# KiCad board RP2040_motor-rounded.kicad_pcb (continued)
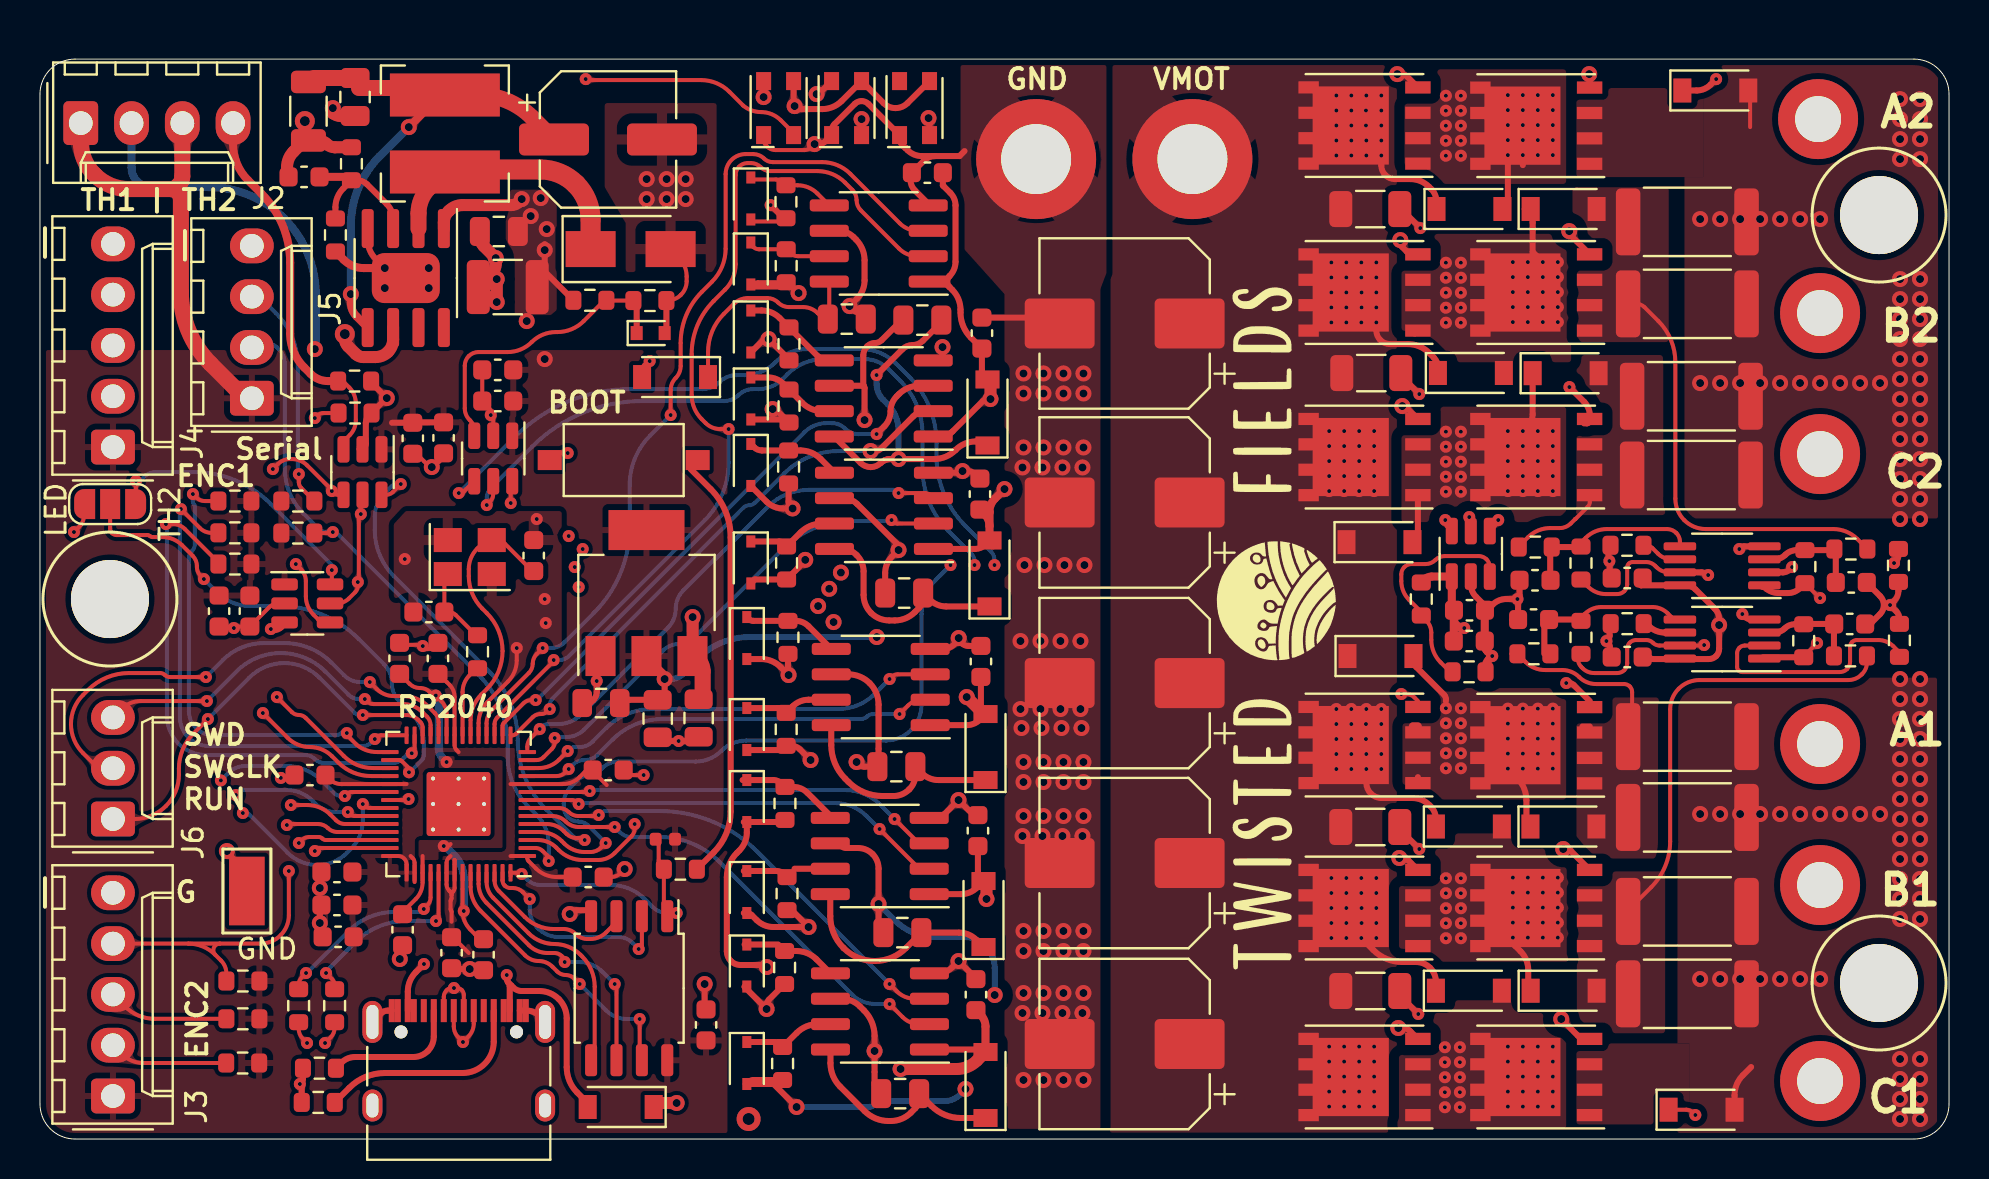
[diagram p0: board, top side]
## Nets (continued)
VSENSE1A: AL1.1 D28.2 R29.2 R30.2 R31.1
VSENSE1B: BL1.1 D18.2 R11.2 R12.2 R13.1
VSENSE2B: BL2.1 D20.2 R14.2 R16.2 R18.1
VSENSE2C: CL2.1 D10.2 R1.2 R2.2 R3.1
Net-(AH1-Pad2): AH1.2 D22.2 R34.2
Net-(AH2-Pad2): AH2.2 D25.2 R37.2
Net-(AL1-Pad2): AL1.2 D23.2 R35.2
Net-(AL2-Pad2): AL2.2 D26.2 R38.2
Net-(BH1-Pad2): BH1.2 D12.2 R19.2
Net-(BH2-Pad2): BH2.2 D15.2 R24.2
Net-(BL1-Pad2): BL1.2 D13.2 R20.2
Net-(BL2-Pad2): BL2.2 D16.2 R25.2
Net-(C8-Pad2): C8.2 D1.1 U1.8
Net-(C9-Pad2): C9.2 D2.1 U2.8
Net-(C12-Pad2): C12.2 D11.1 U4.8
Net-(C13-Pad2): C13.2 D14.1 U5.8
Net-(C16-Pad2): C16.2 D21.1 U7.8
Net-(C17-Pad2): C17.2 D24.1 U8.8
Net-(C28-Pad1): C28.1 R52.2 Y1.1
Net-(C$7-Pad1): C24.1 C$7.1 L1.2 R48.2 U11.5
Net-(CH1-Pad2): CH1.2 D3.2 R4.2
Net-(CH2-Pad2): CH2.2 D5.2 R7.2
Net-(CL1-Pad2): CL1.2 D4.2 R5.2
Net-(CL2-Pad2): CL2.2 D6.2 R8.2
Net-(D3-Pad1): D3.1 R4.1 U1.7
Net-(D4-Pad1): D4.1 R5.1 U1.5
Net-(D5-Pad1): D5.1 R7.1 U2.7
Net-(D6-Pad1): D6.1 R8.1 U2.5
Net-(D12-Pad1): D12.1 R19.1 U4.7
Net-(D13-Pad1): D13.1 R20.1 U4.5
Net-(D15-Pad1): D15.1 R24.1 U5.7
Net-(D16-Pad1): D16.1 R25.1 U5.5
Net-(D22-Pad1): D22.1 R34.1 U7.7
Net-(D23-Pad1): D23.1 R35.1 U7.5
Net-(D25-Pad1): D25.1 R37.1 U8.7
Net-(D26-Pad1): D26.1 R38.1 U8.5
Net-(D32-Pad1): D32.1 L1.1 U11.2
Net-(D33-Pad4): D33.4 D34.2
Net-(D34-Pad4): D34.4 D35.2
Net-(D36-Pad1): D36.1 R64.2 R65.1 U16.3
Net-(J1-PadA5): J1.A5 R43.2
Net-(J1-PadB5): J1.B5 R44.1
Net-(R9-Pad1): R9.1 U3.6
Net-(R10-Pad2): R3.2 R6.1 R10.2 U3.5
Net-(R13-Pad2): R13.2 R15.1 R22.2 U6.3
Net-(R17-Pad1): R17.1 U6.2
Net-(R18-Pad2): R18.2 R21.1 R26.2 U3.3
Net-(R23-Pad1): R23.1 U3.2
Net-(R31-Pad2): R31.2 R32.1 R36.2 U6.5
Net-(R33-Pad1): R33.1 U6.6
Net-(R45-Pad1): R45.1 TH1.2 U9.3
Net-(R49-Pad2): R49.2 R50.1 U11.3 U$1.2

Pads without a net: D35 4; J1 A8 B8; U11 7 8

## Via types
v1: diameter 0.6, hole 0.2, Top to Bottom, 444 vias
v2: diameter 0.8, hole 0.4, Top to Bottom, 259 vias
v3: diameter 1, hole 0.5, Top to Bottom, 2 vias
v4: diameter 1.2, hole 0.6, Top to Bottom, 1 via

## Routing (per net, layer and track width the routed paths; a pad name or vN(x,y) marks a point on that pad's centre or on a via; arc(x,y) is an arc through that point)
+1V1: length 19
  Top w0.2: U15.50 21.14,11.4 arc(21.24,10.9) 21.52,10.47 21.78,10.22 arc(21.92,10.12) 22.1,10.09 22.29,10.09 ; 19.14,14.15 U15.45 19.14,12.83 arc(19.05,12.38) 18.8,12 18.18,11.38 arc(18.15,11.34) 18.14,11.29 C32.1 ; C31.1 18.49,22.76 arc(18.72,22.61) 19,22.55 19.03,22.55 arc(19.28,22.5) 19.49,22.36 19.63,22.22 arc(19.68,22.19) 19.74,22.17 v1(19.8,22.17) 20.07,21.91 arc(20.27,21.61) 20.34,21.25 U15.23 ; 20.54,14.75 20.49,14.7 arc(20.43,14.66) 20.37,14.65 v1(20.2,14.65)
  Bottom w0.4: v1(20.2,14.65) 20.22,14.65 arc(20.25,14.65) 20.27,14.63 20.72,14.17 arc(21.08,13.65) 21.2,13.03 v1(21.2,11.4) ; v1(19.8,22.17) 19.88,22.1 arc(19.93,22.02) 19.95,21.92 19.95,19.52 arc(20,19.26) 20.15,19.05 v1(20.34,18.85)
+3V3: length 160.8
  Top w0.2: 20.59,10.86 20.59,11.37 arc(20.58,11.4) 20.57,11.43 arc(20.55,11.45) 20.54,11.49 20.54,11.91 arc(20.55,11.95) 20.57,11.97 arc(20.58,12) 20.59,12.03 20.59,12.19 ; 20.94,19.35 20.84,19.45 arc(20.77,19.56) 20.74,19.69 U15.22 20.74,22.11 arc(20.68,22.43) 20.49,22.71 20.36,22.84 arc(20.23,22.93) 20.07,22.96 19.91,22.96 ; U15.43 18.34,13.73 arc(18.22,14.03) 17.92,14.15 U15.42 ; 20.59,12.19 arc(20.57,12.29) 20.51,12.38 ; 20.59,12.19 arc(20.61,12.29) 20.66,12.38 ; 20.74,13.75 20.74,13.95 U15.49 20.74,12.56 arc(20.72,12.46) 20.66,12.38 ; C37.1 14.5,17.97 arc(14.75,17.81) 15.05,17.75 U15.33 18.34,17.75 ; C36.1 25.85,13.1 arc(25.29,13.21) 24.81,13.53 24.44,13.89 arc(24.39,13.97) 24.38,14.06 U15.1 23.54,14.15 ; 18.54,14.15 18.64,14.05 arc(18.71,13.94) 18.74,13.81 U15.44 18.74,12.85 ; 21.45,9.3 20.68,10.07 arc(20.66,10.08) 20.62,10.09 C33.1 ; 20.54,14.15 20.44,14.05 arc(20.37,13.94) 20.34,13.81 U15.48 20.34,12.73 arc(20.37,12.56) 20.46,12.42 20.51,12.38 ; 20.51,12.38 arc(20.59,12.34) 20.66,12.38 ; 23.54,17.75 U15.10 26.16,17.75 arc(26.61,17.84) 27,18.1 27.24,18.34 arc(27.36,18.42) 27.5,18.45 27.62,18.45 arc(27.64,18.44) 27.65,18.42 arc(27.65,18.4) 27.67,18.38 28.35,17.7
  Top w0.3: D35.3 43.4,51.8 arc(43.12,51.61) 42.8,51.55 arc(42.48,51.61) 42.2,51.8 D34.3 40.1,51.9 arc(39.66,51.6) 39.13,51.5 38.01,51.5 arc(37.91,51.52) 37.83,51.58 v2(37.75,51.65) 37.72,51.67 arc(37.71,51.7) 37.7,51.74 D33.3 ; 29.2,21.8 29.28,21.88 arc(29.37,21.94) 29.48,21.96 30.99,21.96 arc(31.09,21.98) 31.17,22.04 arc(31.23,22.12) 31.25,22.22 v2(31.25,23) ; U13.2 31.17,23.32 arc(31.23,23.23) 31.25,23.12 v2(31.25,23) ; 80.08,24.1 80.43,24.1 arc(80.49,24.09) 80.55,24.05 arc(80.61,24.01) 80.67,24 81.99,24 arc(82.01,24) 82.02,24.01 arc(82.04,24.02) 82.05,24.01 arc(82.06,24) 82.08,24 83.49,24 arc(83.68,24.04) 83.85,24.15 arc(83.96,24.32) 84,24.51 v2(84,25.7) 84,26 arc(83.94,26.28) 83.79,26.51 82.82,27.48 arc(82.59,27.63) 82.33,27.69 80.1,27.69 arc(80.09,27.69) 80.08,27.69 80.08,27.7 ; v2(31.25,23) 30.46,23.79 arc(30.37,23.92) 30.34,24.08 30.34,24.25 ; R47.1 18.68,35.83 arc(18.67,35.83) 18.66,35.83 arc(18.65,35.82) 18.64,35.81 17.61,35.81
  Top w0.4: 70.73,26.43 70.73,26 arc(70.77,25.83) 70.87,25.68 70.91,25.64 arc(71.01,25.57) 71.12,25.55 v1(71.25,25.55) ; 70.73,26.43 arc(70.73,26.44) 70.73,26.44 ; 70.73,26.43 arc(70.73,26.44) 70.73,26.44 ; 70.73,24.9 70.73,26.42 arc(70.73,26.43) 70.73,26.44 ; TH1.1 69.25,27.97 arc(69.42,28.09) 69.61,28.12 U9.1 70.63,26.63 arc(70.64,26.55) 70.68,26.49 70.73,26.44 ; 70.73,26.44 arc(70.73,26.44) 70.73,26.44
  Top w0.8: 6.9,47.65 6.94,47.69 arc(7.07,47.89) 7.12,48.13 J2.3 ; 6.9,47.65 arc(6.73,47.54) 6.54,47.5 ; 6.9,47.65 arc(6.84,47.5) 6.9,47.35 ; 6.54,47.5 4.45,47.5 arc(3.53,47.68) 2.74,48.2 2.71,48.24 arc(2.21,48.98) 2.04,49.86 J2.1 ; 6.54,47.5 arc(6.73,47.46) 6.9,47.35 ; 10.6,37.29 10.3,37.29 arc(10.03,37.34) 9.8,37.5 8.53,38.77 arc(7.43,40.41) 7.05,42.34 7.05,46.99 arc(7.01,47.18) 6.9,47.35
  In2.Cu w0.3: v2(84,25.7) 71.51,25.7 arc(71.41,25.68) 71.33,25.62 v1(71.25,25.55) 71.12,25.67 arc(70.99,25.77) 70.82,25.8 43.24,25.8 arc(42.79,25.71) 42.4,25.45 42.12,25.17 arc(42.04,25.12) 41.95,25.1 v2(41.86,25.1) ; v2(37.75,51.65) 37.75,51.8 arc(37.72,51.94) 37.64,52.06 37.25,52.45 arc(36.7,52.82) 36.04,52.95 33.23,52.95 arc(32.46,52.8) 31.81,52.36 30.1,50.65 arc(28.58,48.38) 28.05,45.7 28.05,43.78 arc(27.69,41.95) 26.65,40.4 v2(25.25,39)
  Bottom w0.3: v2(31.25,23) 31.58,23 arc(31.88,23.06) 32.13,23.23 32.95,24.05 arc(34.11,24.83) 35.48,25.1 v2(41.86,25.1)
+12V: length 219
  Top w0.3: 47.12,12.97 47.06,13.04 arc(46.96,13.2) 46.92,13.38 C10.2 ; 47.12,12.97 47.27,12.83 ; 47.12,12.97 arc(47.16,12.9) 47.12,12.83 46.87,12.57 arc(46.51,12.33) 46.08,12.25 U4.1 ; 47.27,21.22 47.02,20.97 arc(46.72,20.77) 46.35,20.69 U7.1 ; 47.27,21.22 arc(47.27,21.24) 47.25,21.25 ; 47.27,21.22 arc(47.28,21.25) 47.27,21.28 47.19,21.36 arc(47.1,21.49) 47.07,21.64 C14.2 ; 47.12,39.72 47.12,39.73 ; v2(47.55,37) 47.41,37 arc(47.28,36.97) 47.17,36.9 45.65,35.38 arc(45.37,35.19) 45.04,35.12 U5.1 ; 45.5,42.6 45.64,42.46 arc(45.94,42.01) 46.05,41.47 46.05,41.32 arc(46.18,40.65) 46.56,40.08 C11.2 47.12,38.46 arc(47.16,38.28) 47.26,38.12 47.47,37.91 ; 45.5,42.6 arc(45.19,42.8) 44.83,42.88 44.49,42.88 arc(44.44,42.86) 44.39,42.83 44.35,42.79 ; 45.5,42.6 arc(45.39,42.88) 45.5,43.15 ; U8.1 45.22,42.88 45.51,43.16 arc(45.72,43.48) 45.8,43.86 45.8,46.68 arc(45.73,47.02) 45.54,47.31 45.17,47.68 C15.2 45.17,48.28 arc(45.17,48.25) 45.18,48.22 ; U2.1 46.77,29.5 arc(47.05,29.56) 47.29,29.72 47.42,29.86 arc(47.48,29.94) 47.5,30.04 ; U1.1 47.09,4.47 arc(47.17,4.46) 47.24,4.41 arc(47.28,4.4) 47.3,4.44 ; D24.2 30.12,38.31 arc(30.16,38.5) 30.27,38.67 v1(30.5,38.9)
  Top w0.4: 47.5,30.65 47.5,30.04 arc(47.52,29.94) 47.58,29.86 ; 47.5,30.65 47.5,31.33 ; 47.5,30.65 arc(47.44,30.97) 47.26,31.23 ; C1.2 47.06,6.2 arc(47.24,5.94) 47.3,5.62 47.3,4.44 arc(47.28,4.36) 47.24,4.29 ; 47.5,31.33 47.5,31.37 arc(47.57,31.72) 47.77,32.02 v2(48.25,32.5) ; 47.5,31.33 arc(47.41,31.2) 47.26,31.23 ; 47.26,31.23 C2.2
  Top w0.6: v2(32.65,26.1) 32.65,24.27 arc(32.65,24.26) 32.64,24.25 arc(32.64,24.25) 32.64,24.25 ; v2(46.36,22.1) 47.18,21.28 arc(47.21,21.26) 47.25,21.25 arc(47.27,21.26) 47.27,21.28 ; U11.6 17.66,39.98 arc(17.6,39.64) 17.41,39.36 arc(17.12,39.17) 16.79,39.1 16.17,39.1 arc(15.97,39.14) 15.8,39.25 15.41,39.64 arc(15.29,39.82) 15.25,40.03 v3(15.25,40.25) ; v2(31.85,1.8) 30.7,1.8 ; 47.65,29.78 47.58,29.86 arc(47.5,29.89) 47.42,29.86 ; R50.2 14.75,49.59 arc(14.53,49.63) 14.34,49.76 arc(14.15,49.89) 13.93,49.93 13.52,49.93 ; 13.52,49.93 13.34,49.93 ; 13.52,49.93 arc(13.44,49.95) 13.36,50 ; 13.34,49.93 arc(13.37,49.96) 13.36,50 ; 13.34,49.93 arc(13.25,49.92) 13.18,49.87 12.68,49.37 arc(12.44,49.02) 12.36,48.59 12.36,48.15 arc(12.36,48.14) 12.37,48.12 12.38,48.11 ; v2(43.05,3.5) 45.85,3.5 arc(46.4,3.61) 46.88,3.92 47.24,4.29 arc(47.26,4.35) 47.24,4.41 ; v2(47.55,37) 47.55,37.72 arc(47.53,37.82) 47.47,37.91 ; v2(47.35,12) 47.35,12.64 arc(47.33,12.74) 47.27,12.83 arc(47.2,12.86) 47.12,12.83 ; 13.36,50 13.34,50.02 arc(13.27,50.12) 13.25,50.24 v3(13.25,50.9)
  Top w0.8: 32.64,24.25 32.89,24 arc(33.08,23.71) 33.15,23.38 33.15,21.99
  In2.Cu w0.6: 35.45,22.31 35.45,24.25 ; 35.45,22.31 35.45,22.09 ; 35.45,22.31 arc(35.47,22.21) 35.52,22.12 ; 35.45,24.25 35.45,26.15 ; 35.45,24.25 arc(35.17,24.92) 34.5,25.2 ; 35.45,22.09 35.45,12.61 ; 35.45,22.09 arc(35.48,22.13) 35.52,22.12 ; 35.45,12.61 35.45,12.39 ; 35.45,12.61 arc(35.48,12.57) 35.52,12.57 ; 35.5,33.17 35.54,33.14 arc(35.58,33.11) 35.63,33.1 44.43,33.1 arc(44.82,33.02) 45.15,32.8 arc(45.48,32.58) 45.87,32.5 v2(48.25,32.5) ; 35.45,12.39 35.45,6.38 arc(35.72,5.01) 36.5,3.85 37.2,3.15 arc(37.59,2.89) 38.05,2.8 ; 35.45,12.39 arc(35.47,12.49) 35.52,12.57 ; 32.66,39.1 30.84,39.1 arc(30.71,39.07) 30.6,39 v1(30.5,38.9) 30.4,39 arc(30.29,39.07) 30.16,39.1 28.18,39.1 ; 32.66,39.1 28.18,39.1 ; 32.66,39.1 arc(32.79,39.07) 32.9,39 ; 32.66,39.1 arc(32.79,39.07) 32.9,39 ; 22.27,39.38 23,38.65 arc(23.89,38.06) 24.92,37.85 25.17,37.85 arc(25.98,38.01) 26.67,38.47 ; 22.27,39.38 arc(20.59,40.5) 18.59,40.9 ; 22.27,39.38 arc(21.15,41.06) 20.75,43.06 ; 39.05,2.8 41.86,2.8 arc(42.31,2.89) 42.7,3.15 v2(43.05,3.5) ; 39.05,2.8 38.05,2.8 ; 39.05,2.8 38.05,2.8 ; 34.5,25.2 34.19,25.2 arc(33.6,25.32) 33.1,25.65 v2(32.65,26.1) ; 34.5,25.2 arc(35.17,25.48) 35.45,26.15 ; v3(15.25,40.25) 15.58,40.58 arc(15.94,40.82) 16.36,40.9 18.59,40.9 ; v2(31.85,1.8) 32.35,2.3 arc(32.9,2.67) 33.56,2.8 35.35,2.8 ; 20.75,43.06 20.75,43.7 arc(20.46,45.18) 19.62,46.43 19.21,46.84 arc(18.41,47.37) 17.47,47.56 arc(16.53,47.75) 15.73,48.28 13.3,50.71 arc(13.26,50.77) 13.25,50.83 v3(13.25,50.9) ; 20.75,43.06 arc(20.12,41.53) 18.59,40.9 ; 38.05,2.8 35.35,2.8 ; v2(46.36,22.1) 46.33,22.08 arc(46.31,22.06) 46.27,22.05 35.71,22.05 arc(35.61,22.07) 35.52,22.12 ; 35.35,2.8 35.35,1.1 v4(35.45,1) ; 28.18,39.1 arc(27.37,38.94) 26.67,38.47 ; 28.18,39.1 arc(27.37,38.94) 26.67,38.47 ; v2(47.35,12) 47.03,12.32 arc(46.67,12.57) 46.24,12.65 35.71,12.65 arc(35.61,12.63) 35.52,12.57 ; 32.9,39 34.12,37.78 arc(35.11,36.31) 35.45,34.58 35.45,26.15 ; 32.9,39 arc(33.01,38.93) 33.14,38.9 34.99,38.9 arc(35.97,38.71) 36.8,38.15 arc(37.63,37.59) 38.61,37.4 46.87,37.4 arc(47.13,37.35) 47.35,37.2 v2(47.55,37)
GND: length 126.2
  Top w0.2: U10.2 11.95,26.78 arc(11.68,26.73) 11.46,26.58 R40.2 9.77,25.62 ; C19.1 9.62,25.62 ; 85.55,50.6 85.55,52.28 arc(85.54,52.34) 85.51,52.39 D30.2 ; v1(12.05,18.06) 12.48,18.06 arc(12.58,18.07) 12.66,18.13 C37.2 ; 22.12,38.46 22.12,37.2 arc(22.18,36.92) 22.34,36.69 22.45,36.57 arc(22.52,36.46) 22.55,36.34 v1(22.55,36.2) 22.61,36.14 arc(22.66,36.07) 22.67,35.99 22.67,35.28 ; D32.2 31.95,44.1 arc(32.25,43.65) 32.35,43.13 32.35,42.89 arc(32.28,42.53) 32.08,42.22 32.04,42.19 arc(31.77,42.01) 31.46,41.95 31.11,41.95 ; v2(9.35,14.4) 10,13.75 arc(10.26,13.36) 10.35,12.9 TP2.1 ; 20.34,34.24 19.97,33.87 arc(19.6,33.72) 19.23,33.87 18.83,34.27 ; 19.91,24.51 19.39,24.51 arc(19.3,24.53) 19.22,24.58 v1(19.15,24.65) 19.12,24.68 arc(19.09,24.7) 19.05,24.71 18.29,24.71 ; 15.93,34.49 15.93,34.52 ; C38.2 29.33,18.33 arc(29.46,18.23) 29.63,18.2 v1(30.2,18.2) ; v2(38.75,49.75) 38.6,49.6 arc(38.43,49.49) 38.24,49.45 36.8,49.45 arc(36.57,49.5) 36.38,49.62 36.34,49.66 arc(36.24,49.82) 36.2,50 D33.1 ; SW1.1 25.67,34.12 arc(25.87,34.25) 26.1,34.3 v1(26.4,34.3) ; v1(23.85,24.55) 23.85,23.93 arc(23.74,23.36) 23.41,22.88 22.37,21.83 arc(22.05,21.36) 21.94,20.8 U15.19 ; C36.2 28.57,13.1 arc(28.83,13.15) 29.05,13.3 v2(29.25,13.5)
  Top w0.3: v1(85.01,29.5) 85.08,29.57 arc(85.15,29.62) 85.24,29.64 86.14,29.64 ; 16,34.62 16.07,34.55 arc(16.13,34.53) 16.2,34.55 16.22,34.57 arc(16.28,34.66) 16.3,34.77 16.3,35.81 arc(16.34,36) 16.44,36.16 16.53,36.24 ; v1(68.95,6.25) 68.44,6.76 arc(68.32,6.94) 68.27,7.16 68.27,7.4 ; U9.2 71.58,27.75 arc(71.64,27.4) 71.84,27.11 72.21,26.74 arc(72.26,26.66) 72.29,26.55 72.29,26.45 arc(72.29,26.44) 72.29,26.44 ; C32.2 18.07,9.62 arc(18.02,9.54) 18,9.45 v2(18,9) ; v2(45.15,39.6) 45.15,39.22 arc(45.13,39.11) 45.07,39.02 arc(44.98,38.96) 44.87,38.94 44.83,38.94 45.08,38.94 ; C14.1 46.45,24.65 arc(46.26,24.69) 46.1,24.8 arc(45.95,24.86) 45.8,24.8 45.73,24.73 arc(45.48,24.56) 45.19,24.5 U7.4 ; R44.2 13.09,2.59 arc(13.08,2.65) 13.05,2.7 v1(13,2.75) 13.08,2.83 arc(13.13,2.91) 13.16,3.01 R43.1 ; J1.S1 24.95,6.17 arc(24.68,6.36) 24.35,6.42 J1.B1 ; J1.S1 17.05,6.28 arc(17.21,6.38) 17.4,6.42 J1.A1 ; C4.2 50.86,40.93 arc(50.7,41.04) 50.51,41.07 C11.1 ; v1(27.85,22.9) 27.85,23.93 arc(27.87,24.05) 27.94,24.16 28.04,24.25 ; v1(27.85,22.9) 27.85,23.83 arc(27.87,23.95) 27.94,24.06 U13.1 ; v1(27.85,22.9) 27.85,22.35 arc(27.81,22.14) 27.69,21.96 27.53,21.8 ; 46.25,49.4 46,49.15 44.77,49.15 ; C1.1 46.82,8.01 arc(46.82,8.03) 46.81,8.04 v2(45.95,8.9) 45.63,8.58 arc(45.3,8.36) 44.91,8.28 U1.4 ; R23.2 92.97,27.42 arc(92.92,27.14) 92.76,26.91 v1(92.55,26.7) 92.85,26.4 arc(92.98,26.21) 93.02,26 R17.2 ; v2(14,10.8) 14,11.56 arc(14.01,11.62) 14.04,11.66 C41.2 ; 16.53,36.24 16.64,36.36 ; 16.53,36.24 arc(16.56,36.25) 16.58,36.22 ; 16.64,36.36 17.33,37.04 arc(17.34,37.05) 17.34,37.05 v2(17.35,37.05) 16.59,37.81 arc(16.57,37.84) 16.56,37.87 R51.2 ; 16.64,36.36 arc(16.6,36.29) 16.58,36.22 ; 68.23,15.6 68.23,15.44 arc(68.25,15.29) 68.34,15.16 v1(69,14.5) ; R6.2 74.02,27.18 arc(74,27.11) 73.96,27.05 v1(73.91,27) ; v1(73.91,27) 73.93,26.98 arc(73.94,26.96) 73.94,26.94 73.94,26.49 arc(73.9,26.29) 73.79,26.12 73.64,25.97 ; v1(73.91,27) 73.35,27 arc(72.98,26.93) 72.67,26.72 72.43,26.48 arc(72.39,26.45) 72.34,26.44 72.29,26.44 ; C40.2 14.04,13.31 arc(14.01,13.27) 14,13.21 v2(14,12.55) ; R65.2 31.34,40.45 arc(31.33,40.39) 31.29,40.34 D36.2 ; 68.33,38.3 68.33,38.11 arc(68.36,37.94) 68.46,37.79 v1(69,37.25) ; 31.1,20.09 31.19,19.99 arc(31.3,19.92) 31.42,19.9 v1(31.95,19.9) 32.78,19.9 arc(32.92,19.93) 33.04,20.01 33.15,20.11 ; U8.4 44.43,46.73 arc(44.43,46.76) 44.41,46.79 43.76,47.44 arc(43.61,47.67) 43.55,47.95 43.55,48.21 arc(43.56,48.25) 43.58,48.29 43.61,48.32 arc(43.62,48.32) 43.62,48.32 arc(43.62,48.32) 43.62,48.32 44.22,48.92 arc(44.47,49.09) 44.77,49.15 ; 27.51,11.5 27.54,11.47 arc(27.54,11.45) 27.53,11.44 26.82,11.44 arc(26.7,11.42) 26.59,11.34 v2(26.5,11.25) ; 91.58,27.83 91.58,27.72 arc(91.6,27.62) 91.66,27.54 92.05,27.15 arc(92.24,26.7) 92.05,26.25 91.62,25.82 arc(91.61,25.8) 91.61,25.78 91.61,25.75 ; 78.52,24.1 78.52,24.62 arc(78.5,24.73) 78.44,24.82 v1(78.36,24.9) 78.44,24.98 arc(78.5,25.07) 78.52,25.17 78.52,25.97 ; v1(85.16,26.25) 85.3,26.11 arc(85.45,26.01) 85.63,25.97 86.14,25.97 ; 68.27,46.5 68.27,46.41 arc(68.29,46.33) 68.34,46.26 v1(69.05,45.55) ; v2(17.25,43.55) 16.79,44.01 arc(16.5,44.45) 16.39,44.97 U11.4 ; 44.77,49.15 44.11,49.15 arc(43.73,49.23) 43.41,49.44 43.3,49.55 43.3,49.56 arc(43.26,49.59) 43.22,49.62 43.12,49.73 arc(43.03,49.86) 43,50.03 arc(42.97,50.19) 42.88,50.32 41.44,51.76 arc(41.28,51.86) 41.1,51.9 arc(40.92,51.86) 40.76,51.76 39.74,50.74 arc(39.64,50.58) 39.6,50.4 arc(39.56,50.22) 39.46,50.06 39.29,49.89 arc(39.13,49.79) 38.95,49.75 v2(38.75,49.75) ; 78.46,29.69 78.46,28.98 arc(78.47,28.95) 78.49,28.92 v1(78.51,28.9) 78.52,28.89 arc(78.52,28.88) 78.52,28.87 78.52,28.05 ; C26.1 49.83,48.93 49.33,48.43 ; U2.4 46,33.31 arc(46.06,33.33) 46.11,33.36 v2(46.15,33.4) 46.4,33.4 arc(46.63,33.35) 46.82,33.23 C2.1 ; 85.6,3.6 85.19,3.19 arc(84.88,2.73) 84.77,2.18 D8.2 ; C10.1 46.81,16.19 arc(46.71,16.21) 46.63,16.27 v2(45.95,16.95) 45.26,16.26 arc(45.03,16.11) 44.77,16.06 U4.4 ; 22.29,8.54 22.27,8.52 arc(22.25,8.51) 22.22,8.5 v2(21.5,8.5) 20.66,8.5 arc(20.63,8.51) 20.61,8.52 C33.2 ; 16.58,36.22 16.58,36.14 ; v2(33.25,7.75) 33.25,6.6 arc(33.26,6.55) 33.28,6.52 C21.2 ; 72.29,26.44 arc(72.29,26.44) 72.28,26.44
  Top w0.4: 72.27,24.71 72.27,26.42 arc(72.28,26.43) 72.28,26.44 arc(72.28,26.44) 72.29,26.45 ; 72.27,24.71 C18.1 ; 72.27,24.71 arc(72.31,24.54) 72.41,24.39 ; 72.27,24.71 arc(72.31,24.54) 72.41,24.39 ; v2(17.25,43.55) 16.2,43.55 arc(15.65,43.66) 15.19,43.97 R49.1 ; R45.2 72.31,23.59 arc(72.36,23.8) 72.48,23.98 v1(72.65,24.15) 72.41,24.39
  Top w0.6: C$6.2 22,45.11 arc(22.05,44.87) 22.19,44.66 v2(22.8,44.05) 22.8,43.76 arc(22.75,43.5) 22.6,43.27 22.04,42.71 ; C$7.2 15.04,51.16 arc(14.84,51.19) 14.66,51.29 14.65,51.3 v2(14.65,51.55) ; 22.04,42.49 22.61,41.91 arc(22.68,41.87) 22.76,41.85 v2(22.85,41.85) 22.85,42.78 arc(22.74,42.94) 22.55,42.9 22.36,42.71 arc(22.24,42.63) 22.09,42.6 ; 22.04,42.49 arc(22.03,42.56) 22.09,42.6 ; 22.04,42.49 arc(21.99,42.6) 22.04,42.71 ; 22.04,42.71 arc(22.03,42.64) 22.09,42.6
  vias: v1(9.7,25.55) v1(18.25,29) v1(24.85,31) v1(25.25,27) v1(25.3,25.8) v2(17.25,42.55) v2(19.45,43.55) v2(19.45,42.55) v2(19.6,33.6) v2(22.85,43) v2(30.35,48) v2(30.35,47) v2(31.35,48) v2(31.35,47) v2(32.3,48) v2(32.3,47) v2(45.96,25.05) v2(49.05,24.9) v2(49.05,21.5) v2(49.1,20.55) v2(49.15,33.58) v2(49.15,15.15) v2(49.15,6.3) v2(49.2,38.28) v2(49.2,37.28) v2(49.2,34.58) v2(49.25,28.7) v2(49.2,18.85) v2(49.2,17.85) v2(49.2,16.15) v2(49.2,10.4) v2(49.2,9.4) v2(49.2,7.3) v2(49.2,2.95) v2(50.05,24.9) v2(50.05,21.5) v2(50.1,20.55) v2(50.15,33.58) v2(50.15,15.15) v2(50.15,6.3) v2(50.2,38.28) v2(50.2,37.28) v2(50.2,34.58) v2(50.25,28.7) v2(50.2,18.85) v2(50.2,17.85) v2(50.2,16.15) v2(50.2,10.4) v2(50.2,9.4) v2(50.2,7.3) v2(50.2,2.95) v2(51.05,24.9) v2(51.05,21.5) v2(51.1,20.55) v2(51.15,33.58) v2(51.15,15.15) v2(51.15,6.3) v2(51.2,38.28) v2(51.2,37.28) v2(51.2,34.58) v2(51.25,28.7) v2(51.2,18.85) v2(51.2,17.85) v2(51.2,16.15) v2(51.2,10.4) v2(51.2,9.4) v2(51.2,7.3) v2(51.2,2.95) v2(52.05,24.9) v2(52.05,21.5) v2(52.1,20.55) v2(52.15,33.58) v2(52.15,15.15) v2(52.15,6.3) v2(52.2,38.28) v2(52.2,37.28) v2(52.2,34.58) v2(52.25,28.7) v2(52.2,18.85) v2(52.2,17.85) v2(52.2,16.15) v2(52.2,10.4) v2(52.2,9.4) v2(52.2,7.3) v2(52.2,2.95) v2(83.05,46) v2(83.05,37.8) v2(83.05,16.25) v2(83.05,8) v2(84.05,46) v2(84.05,37.8) v2(84.05,16.25) v2(84.05,8) v2(85.05,46) v2(85.05,37.8) v2(85.05,16.25) v2(85.05,8) v2(86.05,46) v2(86.05,37.8) v2(86.05,16.25) v2(86.05,8) v2(87.05,46) v2(87.05,37.8) v2(87.05,16.25) v2(87.05,8) v2(88.05,46) v2(88.05,37.8) v2(88.05,16.25) v2(88.05,8) v2(89.05,46) v2(89.05,37.8) v2(89.05,16.25) v2(89.05,8) v2(90.05,37.8) v2(90.05,16.25) v2(91.05,37.8) v2(91.05,16.25) v2(92.05,37.8) v2(92.05,16.25) v2(93.05,52) v2(93.05,51) v2(93.05,50) v2(93.05,49) v2(93.05,43) v2(93.05,42) v2(93.05,41) v2(93.05,40) v2(93.05,39) v2(93.05,38) v2(93.05,37) v2(93.05,36) v2(93.05,35) v2(93.05,34) v2(93.05,33) v2(93.05,32) v2(93.05,31) v2(93.05,23) v2(93.05,22) v2(93.05,21) v2(93.05,20) v2(93.05,19) v2(93.05,18) v2(93.05,17) v2(93.05,16) v2(93.05,15) v2(93.05,14) v2(93.05,13) v2(93.05,12) v2(93.05,11) v2(93.05,4) v2(93.05,3) v2(93.05,2) v2(93.05,1) v2(94.05,52) v2(94.05,51) v2(94.05,50) v2(94.05,49) v2(94.05,43) v2(94.05,42) v2(94.05,41) v2(94.05,40) v2(94.05,39) v2(94.05,38) v2(94.05,37) v2(94.05,36) v2(94.05,35) v2(94.05,34) v2(94.05,33) v2(94.05,32) v2(94.05,31) v2(94.05,23) v2(94.05,22) v2(94.05,21) v2(94.05,20) v2(94.05,19) v2(94.05,18) v2(94.05,17) v2(94.05,16) v2(94.05,15) v2(94.05,14) v2(94.05,13) v2(94.05,12) v2(94.05,11) v2(94.05,4) v2(94.05,3) v2(94.05,2) v2(94.05,1)
VBUS: length 17.8
  Top w0.3: J1.A4 18.4,7.37 arc(18.51,7.9) 18.8,8.34 v1(19.21,8.75) ; 27.4,1.8 26.88,2.33 arc(26.49,2.91) 26.35,3.59 26.35,6.03 arc(26.25,6.56) 25.95,7 arc(25.51,7.3) 24.98,7.4 24.1,7.4 arc(23.87,7.45) 23.67,7.58 23.58,7.67 ; v1(23.35,8.2) 23.35,8.01 arc(23.37,7.91) 23.42,7.83 ; 23.5,7.64 J1.A9 ; 23.5,7.64 arc(23.53,7.68) 23.58,7.67 ; 23.5,7.64 arc(23.48,7.74) 23.42,7.83 ; 23.58,7.67 23.42,7.83
  In2.Cu w0.3: v1(19.21,8.75) 19.58,9.12 arc(20,9.4) 20.49,9.5 21.13,9.5 arc(21.98,9.33) 22.7,8.85 v1(23.35,8.2)
/power_and_cpu/QSPI_SCLK: length 13.2
  Top w0.2: U15.52 21.94,12.76 arc(22.04,12.25) 22.33,11.82 24.46,9.69 arc(24.89,9.4) 25.4,9.3 25.74,9.3 arc(25.93,9.26) 26.1,9.15 26.2,9.05 arc(26.24,8.99) 26.25,8.92 v1(26.25,8.85) ; v1(28.75,7.75) 28.8,7.7 arc(28.83,7.66) 28.84,7.6 28.84,4.24
  Bottom w0.2: v1(28.75,7.75) 28.14,8.36 arc(27.6,8.72) 26.95,8.85 v1(26.25,8.85)
/power_and_cpu/QSPI_SD0: length 12
  Top w0.2: U15.53 22.34,12.85 arc(22.42,12.43) 22.67,12.07 24.45,10.29 arc(25.04,9.89) 25.74,9.75 arc(26.44,9.61) 27.04,9.21 27.12,9.12 arc(27.59,8.43) 27.75,7.62 27.75,4.55 arc(27.73,4.43) 27.66,4.33 27.57,4.24
/power_and_cpu/QSPI_SD1: length 11.8
  Top w0.2: v1(24.5,12) 24.16,12.34 arc(23.93,12.5) 23.66,12.55 23.53,12.55 arc(23.38,12.58) 23.25,12.67 23.24,12.68 arc(23.17,12.79) 23.14,12.92 23.14,13.32 ; 30.11,10.54 30.11,11.57 ; v1(29.95,9.5) 30.11,9.66 U12.2
  Bottom w0.2: v1(29.95,9.5) 29.65,9.8 arc(29.32,10.02) 28.93,10.1 28.92,10.1 25.84,10.1 arc(25.34,10.23) 24.92,10.53 24.87,10.58 arc(24.6,10.99) 24.5,11.47 v1(24.5,12)
/power_and_cpu/QSPI_SD2: length 8.6
  Top w0.2: 28.84,11.44 28.84,11.14 arc(28.79,10.87) 28.63,10.64 28.32,10.33 arc(27.95,10.09) 27.52,10 27.4,10 arc(27.08,10.06) 26.8,10.25 arc(26.52,10.44) 26.2,10.5 25.7,10.5 arc(24.92,10.66) 24.26,11.1 22.95,12.4 arc(22.79,12.64) 22.74,12.91 22.74,13.32
/power_and_cpu/QSPI_SD3: length 13.8
  Top w0.2: U15.51 21.54,12.61 arc(21.67,11.96) 22.04,11.41 24.27,9.18 arc(24.58,8.97) 24.95,8.9 arc(25.32,8.83) 25.63,8.62 25.87,8.38 arc(26.07,8.25) 26.3,8.2 arc(26.53,8.15) 26.73,8.02 v1(27,7.75) ; 30.11,4.24 30.05,4.3 arc(30.01,4.36) 30,4.43 v1(30,6)
  Bottom w0.2: v1(30,6) 29.38,6 arc(28.8,6.11) 28.31,6.44 v1(27,7.75)
/power_and_cpu/QSPI_SS: length 13.4
  Top w0.2: R42.2 30.88,14.92 arc(30.93,14.83) 30.95,14.73 30.95,13.93 arc(30.98,13.76) 31.08,13.62 arc(31.18,13.48) 31.21,13.31 31.21,11.73 arc(31.23,11.62) 31.3,11.53 31.38,11.44 ; v1(31.85,11.3) 31.77,11.22 arc(31.68,11.16) 31.58,11.14 U12.1 ; 23.54,13.38 23.54,13.15 ; U15.56 23.99,13.31 arc(24.03,13.3) 24.07,13.28 v1(24.1,13.25)
  Bottom w0.2: v1(31.85,11.3) 31.4,11.3 arc(30.99,11.38) 30.63,11.62 30.25,12 arc(29.48,12.52) 28.56,12.7 25.04,12.7 arc(24.68,12.77) 24.38,12.97 v1(24.1,13.25)
/power_and_cpu/RUN: length 21.3
  Top w0.2: J6.1 4.73,16 arc(5.58,16.17) 6.3,16.65 arc(6.78,17.37) 6.95,18.22 6.95,18.52 arc(7.14,19.47) 7.67,20.28 v1(8.4,21) ; v1(16.15,21.2) 18.35,21.2 arc(18.65,21.14) 18.91,20.97 19.04,20.84 arc(19.11,20.72) 19.14,20.59 U15.26
  Bottom w0.2: v1(8.4,21) 10.48,23.08 arc(11.28,23.61) 12.22,23.8 arc(13.17,23.61) 13.97,23.08 15.74,21.31 arc(15.86,21.23) 16,21.2 v1(16.15,21.2)
/power_and_cpu/SWCLK: length 25.9
  Top w0.2: v1(8.3,23.1) 6.49,23.1 arc(6.36,23.13) 6.25,23.2 arc(6.14,23.27) 6.01,23.3 4.45,23.3 arc(3.34,23.08) 2.4,22.45 2.15,22.2 arc(1.71,21.54) 1.55,20.75 arc(1.71,19.96) 2.15,19.3 2.65,18.8 arc(2.94,18.61) 3.28,18.54 J6.2 ; v1(16.5,22.85) 16.85,22.5 arc(17.24,22.24) 17.69,22.15 18.16,22.15 arc(18.84,22.01) 19.42,21.63 19.76,21.29 arc(19.89,21.09) 19.94,20.85 U15.24
  Bottom w0.2: v1(8.3,23.1) 9.15,23.95 arc(10.09,24.58) 11.2,24.8 12.22,24.8 arc(13.5,24.55) 14.58,23.83 15.21,23.19 arc(15.59,22.94) 16.02,22.85 v1(16.5,22.85)
/power_and_cpu/SWD: length 18.9
  Top w0.2: v1(16.25,22) 16.38,21.88 arc(16.51,21.78) 16.68,21.75 18.15,21.75 arc(18.68,21.64) 19.13,21.34 19.36,21.11 arc(19.49,20.92) 19.54,20.69 U15.25 ; v1(8.35,21.9) 5.05,21.9 arc(4.51,21.79) 4.06,21.49 J6.3
  Bottom w0.2: v1(8.35,21.9) 9.83,23.38 arc(10.85,24.06) 12.05,24.3 arc(13.25,24.06) 14.27,23.38 15.44,22.21 arc(15.67,22.06) 15.95,22 v1(16.25,22)
/power_and_cpu/USB_D+: length 14.8
  Top w0.2: R60.1 14.74,5.56 arc(14.69,5.3) 14.54,5.08 v1(14.26,4.8) ; J1.B6 21.7,5.77 arc(21.63,5.42) 21.43,5.12 v1(21.16,4.85) 20.93,5.08 arc(20.76,5.33) 20.7,5.64 J1.A6
  In2.Cu w0.2: v1(14.26,4.8) 14.15,4.91 arc(14.06,5.04) 14.04,5.18 14.04,5.44 arc(14.11,5.83) 14.33,6.15 15.38,7.2 arc(16.07,7.66) 16.88,7.83 arc(17.7,7.66) 18.39,7.2 19.24,6.35 arc(19.41,6.24) 19.6,6.2 arc(19.79,6.16) 19.96,6.05 v1(21.16,4.85)
  In2.Cu w0.3: v1(14.26,4.8) 14.26,4.68
/power_and_cpu/USB_D-: length 14.2
  Top w0.2: R61.1 12.94,5.52 arc(12.99,5.24) 13.15,5.01 v1(13.36,4.8) ; J1.A7 21.2,7.21 arc(21.17,7.34) 21.1,7.45 arc(20.99,7.52) 20.86,7.55 v1(20.71,7.55) 20.58,7.55 arc(20.47,7.53) 20.37,7.46 20.33,7.42 arc(20.23,7.28) 20.2,7.11 J1.B7
  In2.Cu w0.2: v1(20.71,7.55) 19.89,6.73 arc(19.8,6.67) 19.69,6.65 arc(19.59,6.67) 19.5,6.73 18.71,7.52 arc(17.87,8.08) 16.88,8.28 arc(15.9,8.08) 15.06,7.52 13.94,6.4 arc(13.68,6) 13.58,5.53 13.58,5.18 arc(13.56,5.04) 13.47,4.91 v1(13.36,4.8)
/power_and_cpu/USB_DN: length 10
  Top w0.2: v1(13.31,8.3) 13.1,8.09 arc(12.98,7.91) 12.94,7.71 R61.2 ; U15.46 19.54,12.08 arc(19.5,11.86) 19.37,11.67 v1(19.2,11.5)
  Bottom w0.2: 19.2,11.42 v1(19.2,11.5) 19.12,11.43 arc(19.04,11.37) 18.94,11.35 17.72,11.35 arc(16.49,11.11) 15.45,10.41 13.35,8.31 arc(13.34,8.3) 13.33,8.3 v1(13.31,8.3)
/power_and_cpu/USB_DP: length 10
  Top w0.2: v1(14.31,8.3) 14.61,8 arc(14.71,7.86) 14.74,7.68 R60.2 ; v1(19.81,10.9) 19.88,10.97 arc(19.92,11.04) 19.94,11.12 U15.47
  Bottom w0.2: 19.76,10.95 v1(19.81,10.9) 18.32,10.9 arc(16.95,10.63) 15.78,9.85 14.23,8.3
/power_and_cpu/XIN: length 14
  Top w0.2: C27.1 24.66,28.4 arc(24.63,28.41) 24.6,28.43 23.24,29.78 arc(23.06,29.91) 22.84,29.95 22.45,29.95 arc(22.31,29.92) 22.19,29.84 21.87,29.53 arc(21.56,29.05) 21.45,28.5 21.45,28.15 arc(21.62,27.27) 22.12,26.53 22.35,26.3 arc(22.94,25.43) 23.14,24.4 arc(22.94,23.37) 22.35,22.5 22.07,22.22 arc(21.68,21.63) 21.54,20.94 U15.20
/power_and_cpu/XOUT: length 3.6
  Top w0.2: U15.21 21.14,22.35 arc(21.23,22.8) 21.49,23.19 21.84,23.54
/power_and_cpu/~{USB_BOOT}: length 21.3
  Top w0.3: 32.55,33.5 33.55,32.5 arc(34.29,31.39) 34.55,30.09 34.55,16.38 arc(34.33,15.27) 33.7,14.33 R41.2
A1: length 95.8
  Top w0.2: v1(12.55,16.7) 13.38,16.7 arc(14,16.58) 14.52,16.22 14.82,15.93 arc(15.02,15.8) 15.26,15.75 U15.38 ; v1(89.05,27.05) 89.04,27.05 arc(89.04,27.05) 89.03,27.06 R26.1
  Top w0.3: R26.1 88.04,27.55 arc(87.77,27.36) 87.44,27.3 86.97,27.3 arc(86.66,27.35) 86.39,27.49 86.17,27.66 arc(86.16,27.66) 86.16,27.64 86.18,27.6
  In1.Cu w0.3: v2(40.07,28.32) 39.18,28.32 arc(39.04,28.29) 38.91,28.21 arc(38.79,28.13) 38.64,28.1 37.81,28.1 arc(36.9,28.28) 36.13,28.8 35.8,29.12 arc(34.67,29.88) 33.33,30.15 v1(26.45,30.15)
  In2.Cu w0.3: v2(40.07,28.32) 41.57,28.32 arc(42.18,28.2) 42.69,27.86 arc(43.2,27.52) 43.8,27.4 71.82,27.4 arc(72.31,27.5) 72.72,27.77 arc(73.14,28.05) 73.63,28.15 75.57,28.15 arc(76.48,28.33) 77.26,28.85 77.67,29.26 arc(77.99,29.47) 78.37,29.55 82.21,29.55 arc(83.36,29.32) 84.33,28.67 arc(85.29,28.03) 86.44,27.8 87.77,27.8 arc(88.26,27.7) 88.67,27.42 v1(89.05,27.05) ; v1(12.55,16.7) 12.66,16.81 arc(12.75,16.94) 12.77,17.08 12.77,20.72 arc(13.07,22.2) 13.91,23.46 18.53,28.08 arc(20.82,29.61) 23.52,30.15 v1(26.45,30.15)
A2: length 94.1
  Top w0.2: R10.1 77.45,27.61 arc(77.85,27.34) 78.33,27.25 78.9,27.25 arc(79.09,27.29) 79.26,27.39 arc(79.36,27.56) 79.4,27.75 79.4,28.58 arc(79.42,28.68) 79.48,28.77 arc(79.57,28.83) 79.67,28.85 80.36,28.85 arc(80.59,28.8) 80.79,28.67 80.87,28.59 arc(81.15,28.4) 81.49,28.33 81.58,28.33 ; v1(12.35,15.7) 12.38,15.72 arc(12.4,15.74) 12.44,15.75 13.92,15.75 arc(14.18,15.7) 14.4,15.55 arc(14.62,15.4) 14.88,15.35 U15.39
  Top w0.3: v1(83.45,28.2) 83.4,28.2 arc(83.35,28.21) 83.31,28.24 83.28,28.27 arc(83.21,28.32) 83.12,28.33 81.58,28.33
  In1.Cu w0.3: v1(27.15,29.5) 32.79,29.5 arc(34.05,29.25) 35.11,28.54 arc(36.18,27.83) 37.44,27.58 39.38,27.58 arc(39.42,27.57) 39.45,27.54 v2(39.48,27.51)
  In2.Cu w0.3: v1(12.35,15.7) 12.48,15.7 arc(12.6,15.72) 12.7,15.79 13.03,16.12 arc(13.34,16.59) 13.45,17.13 13.45,21.03 arc(13.67,22.16) 14.31,23.11 18.42,27.22 arc(20.95,28.91) 23.92,29.5 v1(27.15,29.5) ; v1(83.45,28.2) 83.17,27.92 arc(82.87,27.72) 82.51,27.65 73.78,27.65 arc(73.52,27.6) 73.3,27.45 73.12,27.27 arc(72.71,27) 72.22,26.9 41.51,26.9 arc(41.11,26.98) 40.77,27.21 arc(40.43,27.43) 40.03,27.51 v2(39.48,27.51)
A3: length 94.3
  Top w0.2: v1(88.9,24.8) 88.25,24.15 arc(88.24,24.13) 88.23,24.11 R22.1 ; U15.40 14.31,14.95 arc(14.21,14.97) 14.12,15.03 arc(14.04,15.08) 13.94,15.1 13.46,15.1 arc(13.27,15.06) 13.1,14.95 v1(12.95,14.8)
  Top w0.3: 86.2,24.09 88.33,24.09
  In1.Cu w0.3: v2(38.93,26.65) 38.8,26.77 arc(38.66,26.87) 38.5,26.9 36.91,26.9 arc(35.7,27.14) 34.67,27.83 arc(33.65,28.51) 32.44,28.75 27.01,28.75 arc(26.91,28.73) 26.83,28.67 v1(26.75,28.6)
  In2.Cu w0.3: v1(12.95,14.8) 13.45,15.3 arc(13.82,15.85) 13.95,16.51 13.95,20.63 arc(14.2,21.9) 14.92,22.97 18.61,26.66 arc(20.92,28.21) 23.65,28.75 26.49,28.75 arc(26.59,28.73) 26.67,28.67 v1(26.75,28.6) ; v1(88.9,24.8) 87.74,25.96 arc(86.64,26.69) 85.36,26.95 84.42,26.95 arc(83.99,26.87) 83.63,26.62 arc(83.28,26.38) 82.85,26.3 40.91,26.3 arc(40.68,26.35) 40.49,26.47 arc(40.29,26.6) 40.06,26.65 v2(38.93,26.65)
